# Altium PCB PCB1.PcbDoc (part 2 of 2)
Units mm, origin at the board's own origin, x right, y up, seen from the top; angles counter-clockwise.
Board outline 121.9 x 82.3 mm, 2 copper layers (Top Layer, Bottom Layer); 260 components, 214 nets, 701 pads, 49 vias.
Unrouted connection lines stored in the file: 53.
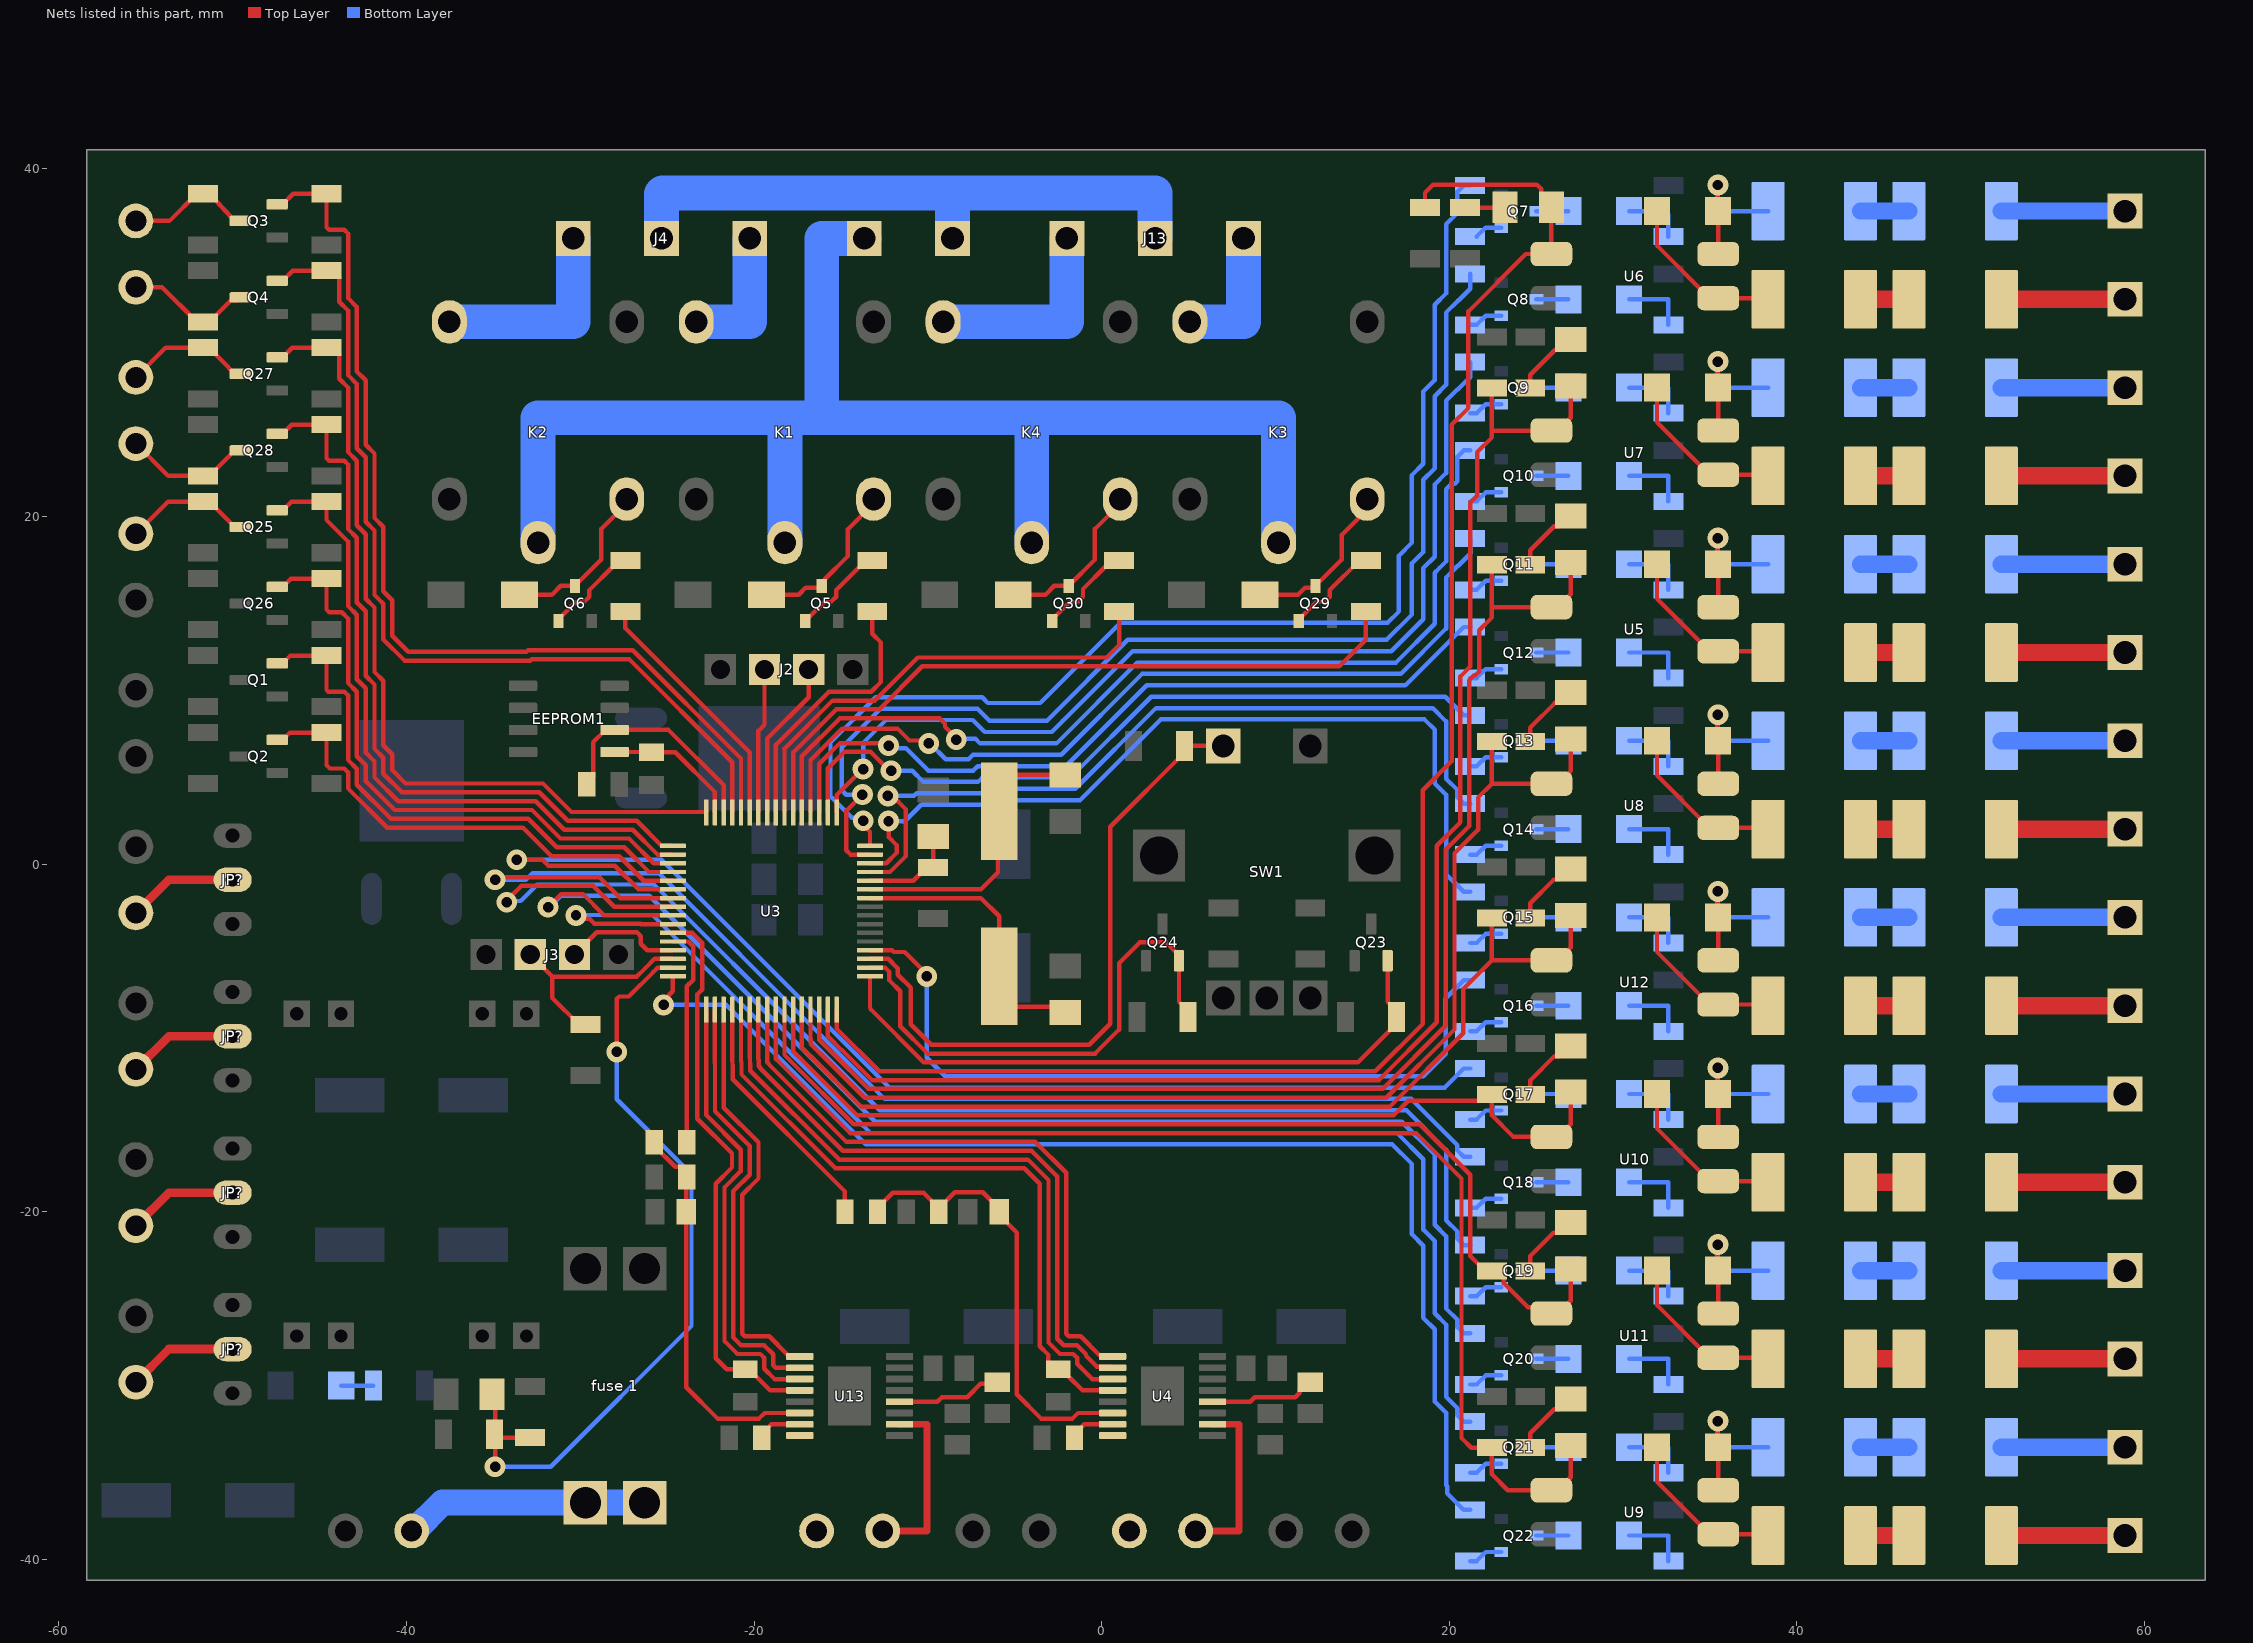
[diagram p2: the nets of this part, all layers, seen from the top]

## Via types
v1: diameter 1.2, hole 0.6, Top Layer to Bottom Layer, tented both sides, 46 vias
v2: diameter 1.2, hole 0.6, Top Layer to Bottom Layer, 3 vias

## Nets (pads, with @x,y where several pads share a name; then routed paths per layer and width w, separated by ;. In a path a pad name is that pad's centre, name@x,y a point inside that pad or via, vN(x,y) a via of type N, cw(c..) or ccw(c..) an arc to the next point about the centre after c; other vN are vias at no path point) (continued)
JACK-2-ENC-B: P10.1 Q25.3 R107.1 | length 7.4
  Top Layer w0.254: P10.1@-55.565,19.005 -53.714,20.856 R107.1@-51.7,20.856 -51.33,20.856 -49.875,19.399 Q25.3@-49.56,19.399
jack_extend1: P3.1 U4.8
jack_extend2: P9.1 U13.8
jack_retract1: P3.2 U4.10 | length 10.2
  Top Layer w0.39: P3.2@5.405,-38.365 7.9,-38.365 7.9,-32.225 U4.10@6.37,-32.225
jack_retract2: P9.2 U13.10 | length 10.3
  Top Layer w0.39: P9.2@-12.595,-38.365 -10.049,-38.365 -10.049,-32.225 U13.10@-11.63,-32.225
Motor1_NC: J4.03 K1.3 | length 7.9
  Bottom Layer w2: K1.3@-23.325,31.2 -20.245,31.2 J4.03@-20.245,36
Motor1_NO: J4.01 K2.3 | length 11.9
  Bottom Layer w2: K2.3@-37.525,31.2 -30.405,31.2 J4.01@-30.405,36
Motor2_NC: J13.01 K3.3 | length 7.9
  Bottom Layer w2: K3.3@5.075,31.2 8.155,31.2 J13.01@8.155,36
Motor2_NO: J13.03 K4.3 | length 11.9
  Bottom Layer w2: K4.3@-9.125,31.2 -2.005,31.2 J13.03@-2.005,36
MOTOR-1-ENC-A: P7.2 Q4.3 R17.1 | length 7.4
  Top Layer w0.254: P7.2@-55.565,33.195 -54.064,33.195 -52.07,31.201 R17.1@-51.7,31.201 -51.33,31.201 -50.101,32.431 -49.733,32.431 Q4.3@-49.56,32.604
MOTOR-1-ENC-B: P7.1 Q3.3 R16.1 | length 7.3
  Top Layer w0.254: P7.1@-55.565,37.005 -53.635,37.005 -52.07,38.57 R16.1@-51.7,38.57 -51.33,38.57 -50.048,37.191 -49.875,37.005 Q3.3@-49.56,37.005
MOTOR-2-ENC-A: P13.2 Q28.3 R116.1 | length 7.4
  Top Layer w0.254: P13.2@-55.565,24.195 -53.714,22.344 R116.1@-51.7,22.344 -51.33,22.344 -49.875,23.801 Q28.3@-49.56,23.801
MOTOR-2-ENC-B: P13.1 Q27.3 R115.1 | length 7.4
  Top Layer w0.254: P13.1@-55.565,28.005 -53.857,29.713 R115.1@-51.7,29.713 -51.33,29.713 -49.875,28.202 Q27.3@-49.56,28.202
NetC4_2: C4.2 R2.1 R3.2 U3.47 | length 45.6
  Top Layer w0.254: C4.2@-35.064,-30.5 -34.9,-30.5 R3.2@-34.9,-33 ; v1(-34.9,-34.671) R3.2@-34.9,-33 ; R2.1@-32.9,-33 R3.2@-34.9,-33 ; v1(-27.9,-10.8) -27.9,-7.749 -27.765,-7.614 -27.202,-7.614 -25.789,-6.201 -25.789,-6.199 -25.54,-5.95 U3.47@-24.67,-5.95
  Bottom Layer w0.254: v1(-34.9,-34.671) -31.699,-34.671 -23.597,-26.568 -23.597,-17.834 -27.9,-13.531 v1(-27.9,-10.8)
NetC11_2: C11.2 R5.1 U3.12 | length 5.7
  Top Layer w0.254: U3.12@-13.33,-0.95 -10.838,-0.95 -10.07,-0.182 R5.1@-9.7,-0.182 C11.2@-9.7,1.585
NetC12_2: C12.2 R12.1 R14.2 U4.6 | length 26.2
  Top Layer w0.254: R12.1@-12.9,-20 -12.9,-19.79 -12.019,-18.909 -10.246,-18.909 R14.2@-9.365,-19.79 ; R14.2@-9.365,-20 R14.2@-9.365,-19.79 ; U4.6@0.63,-31.575 -1.357,-31.575 -1.682,-31.9 -3.49,-31.9 -4.884,-30.506 -4.884,-21.196 -5.9,-20.18 -5.9,-19.82 -6.836,-18.884 -8.459,-18.884 R14.2@-9.365,-19.79
NetC17_1: C17.1 R69.2 | length 4
  Top Layer w0.254: R69.2@24.656,17.225 24.656,18.056 26.038,19.438 26.399,19.438 C17.1@26.992,20.031
NetC17_2: C17.2 R67.2 U3.62 U5.3 | length 74.8
  Top Layer w0.254: U3.62@-16.25,-8.37 -16.25,-10.12 -15.543,-10.827 -15.526,-10.827 -13.422,-12.931 -10.861,-12.931 16.165,-12.931 19.792,-9.304 19.792,0.841 21.147,2.196 21.147,10.591 21.432,10.876 21.509,10.876 21.717,11.084 21.717,13.462 22.45,14.195 22.45,14.75 22.45,14.785 ; R67.2@22.45,17.225 22.45,14.785 ; C17.2@26.992,17.359 26.992,15.523 26.254,14.785 U5.3@25.875,14.785 22.45,14.785
NetC18_1: C18.1 R70.2 | length 2.3
  Top Layer w0.254: R70.2@20.9,37.77 23.17,37.77 C18.1@23.2,37.8
NetC18_2: C18.2 R68.2 U3.64 U6.3 | length 97
  Top Layer w0.254: U3.64@-15.25,-8.37 -15.25,-9.45 -12.785,-11.915 15.744,-11.915 18.465,-9.194 18.465,4.248 20.131,5.915 20.131,25.28 21.1,26.249 21.1,31.8 24.405,35.105 U6.3@25.875,35.105 25.875,37.797 C18.2@25.872,37.8 25.279,38.393 25.279,38.851 25.039,39.091 19.066,39.091 18.6,38.625 R68.2@18.6,37.77
NetC19_1: C19.1 R81.2 | length 3.9
  Top Layer w0.254: R81.2@24.656,27.385 24.656,28.156 26.098,29.598 26.399,29.598 C19.1@26.992,30.191
NetC19_2: C19.2 R79.2 U3.63 U7.3 | length 83.1
  Top Layer w0.254: U3.63@-15.75,-8.37 -15.75,-9.901 -14.934,-10.717 -14.917,-10.717 -13.211,-12.423 -10.651,-12.423 15.954,-12.423 19.284,-9.093 19.284,1.052 20.639,2.407 20.639,10.801 21.209,11.371 21.209,20.813 21.608,21.212 21.608,23.708 22.45,24.55 22.45,24.945 ; R79.2@22.45,27.385 22.45,24.945 ; U7.3@25.875,24.945 22.45,24.945 ; U7.3@26.254,24.945 26.992,25.683 C19.2@26.992,27.519
NetC20_1: C20.1 R82.2 | length 4
  Top Layer w0.254: R82.2@24.656,7.065 24.656,7.856 26.078,9.278 26.399,9.278 C20.1@26.992,9.871
NetC20_2: C20.2 R80.2 U3.61 U8.3 | length 66.1
  Top Layer w0.254: U3.61@-16.75,-8.37 -16.75,-10.047 -16.75,-10.338 -16.18,-10.908 -16.163,-10.908 -13.632,-13.439 -11.072,-13.439 16.375,-13.439 20.3,-9.514 20.3,0.631 21.655,1.986 21.655,3.83 22.45,4.625 ; R80.2@22.45,7.065 22.45,4.625 ; C20.2@26.992,7.199 26.992,5.363 26.254,4.625 U8.3@25.875,4.625 22.45,4.625
NetC21_1: C21.1 R93.2 | length 4
  Top Layer w0.254: R93.2@24.656,-33.575 24.656,-32.744 26.038,-31.362 26.399,-31.362 C21.1@26.992,-30.769
NetC21_2: C21.2 R91.2 U3.57 U9.3 | length 70.6
  Top Layer w0.254: U3.57@-18.75,-8.37 -18.75,-11.195 -18.564,-11.38 -14.474,-15.471 -11.913,-15.471 18.087,-15.471 20.7,-18.084 20.7,-33.019 21.256,-33.575 R91.2@22.45,-33.575 22.45,-35.099 23.366,-36.015 U9.3@25.875,-36.015 26.254,-36.015 26.992,-35.277 C21.2@26.992,-33.441
NetC22_1: C22.1 R94.2 | length 4
  Top Layer w0.254: R94.2@24.656,-13.255 24.656,-12.444 26.058,-11.042 26.399,-11.042 C22.1@26.992,-10.449
NetC22_2: C22.2 R92.2 U3.59 U10.3 | length 53
  Top Layer w0.254: U3.59@-17.75,-8.37 -17.75,-10.775 -17.37,-11.155 -17.353,-11.155 -14.053,-14.455 -11.492,-14.455 16.796,-14.455 17.633,-13.618 22.087,-13.618 R92.2@22.45,-13.255 22.45,-14.45 23.695,-15.695 26.254,-15.695 26.992,-14.957 C22.2@26.992,-13.121
NetC23_1: C23.1 R105.2 | length 4
  Top Layer w0.254: R105.2@24.656,-23.415 24.656,-22.544 25.998,-21.202 26.399,-21.202 C23.1@26.992,-20.609
NetC23_2: C23.2 R103.2 U3.58 U11.3 | length 59.1
  Top Layer w0.254: U3.58@-18.25,-8.37 -18.25,-10.976 -17.962,-11.265 -14.263,-14.963 18.298,-14.963 21.208,-17.873 21.208,-22.543 22.08,-23.415 R103.2@22.45,-23.415 22.777,-23.415 23.14,-23.778 23.14,-24.105 24.52,-25.485 25.505,-25.485 U11.3@25.875,-25.855 26.254,-25.855 26.992,-25.117 C23.2@26.992,-23.281
NetC24_1: C24.1 R106.2 | length 4
  Top Layer w0.254: R106.2@24.656,-3.095 24.656,-2.244 26.018,-0.882 26.399,-0.882 C24.1@26.992,-0.289
NetC24_2: C24.2 R104.2 U3.60 U12.3 | length 57.4
  Top Layer w0.254: U3.60@-17.25,-8.37 -17.25,-10.556 -16.757,-11.05 -16.74,-11.05 -13.842,-13.947 -11.282,-13.947 16.585,-13.947 20.808,-9.724 20.808,-7.177 22.45,-5.535 ; R104.2@22.45,-3.095 22.45,-5.535 ; C24.2@26.992,-2.961 26.992,-4.797 26.254,-5.535 U12.3@25.875,-5.535 22.45,-5.535
NetC25_2: C25.2 R111.1 R113.2 U13.6 | length 22.5
  Top Layer w0.254: R111.1@-25.735,-16 -25.735,-16.21 -24.528,-17.417 -24.238,-17.417 -23.865,-17.79 R113.2@-23.865,-18 -23.9,-18 -23.9,-30.1 -22.1,-31.9 -19.716,-31.9 -19.391,-31.575 U13.6@-17.37,-31.575
NetD1_2: D1.2 R1.1 | length 1.9
  Bottom Layer w0.254: D1.2@-43.75,-30 R1.1@-41.9,-30
NetD2_A: D2.A K1.5 Q5.3 | length 9.6
  Top Layer w0.254: D2.A@-19.285,15.5 -17.431,15.5 -17.021,15.91 -16.2,15.91 -15.927,16.183 -15.927,16.398 -14.6,17.725 -14.6,19.275 -13.125,20.75 K1.5@-13.125,21
NetD3_A: D3.A K2.5 Q6.3 | length 9.6
  Top Layer w0.254: D3.A@-33.485,15.5 -31.631,15.5 -31.121,16.01 Q6.3@-30.3,16.01 -28.787,17.523 -28.787,19.288 -27.325,20.75 K2.5@-27.325,21
NetD4_1: D4.1 Q7.3 | length 1.8
  Bottom Layer w0.254: Q7.3@25.01,37.575 D4.1@26.85,37.575
NetD4_2: D4.2 R22.1 | length 3.6
  Bottom Layer w0.254: D4.2@30.35,37.575 32.409,37.575 32.6,37.384 R22.1@32.6,36.105
NetD5_1: D5.1 Q8.3 | length 1.8
  Bottom Layer w0.254: Q8.3@25.01,32.495 D5.1@26.85,32.495
NetD5_2: D5.2 R23.1 | length 3.7
  Bottom Layer w0.254: D5.2@30.35,32.495 32.6,32.495 R23.1@32.6,31.025
NetD6_1: D6.1 Q9.3 | length 1.8
  Bottom Layer w0.254: Q9.3@25.01,27.415 D6.1@26.85,27.415
NetD6_2: D6.2 R24.1 | length 3.7
  Bottom Layer w0.254: D6.2@30.35,27.415 32.6,27.415 R24.1@32.6,25.945
NetD7_1: D7.1 Q10.3 | length 1.8
  Bottom Layer w0.254: Q10.3@25.01,22.335 D7.1@26.85,22.335
NetD7_2: D7.2 R25.1 | length 3.7
  Bottom Layer w0.254: D7.2@30.35,22.335 32.6,22.335 R25.1@32.6,20.865
NetD8_1: D8.1 Q11.3 | length 1.8
  Bottom Layer w0.254: Q11.3@25.01,17.255 D8.1@26.85,17.255
NetD8_2: D8.2 R26.1 | length 3.7
  Bottom Layer w0.254: D8.2@30.35,17.255 32.6,17.255 R26.1@32.6,15.785
NetD9_1: D9.1 Q12.3 | length 1.8
  Bottom Layer w0.254: Q12.3@25.01,12.175 D9.1@26.85,12.175
NetD9_2: D9.2 R27.1 | length 3.7
  Bottom Layer w0.254: D9.2@30.35,12.175 32.6,12.175 R27.1@32.6,10.705
NetD10_1: D10.1 Q13.3 | length 1.8
  Bottom Layer w0.254: Q13.3@25.01,7.095 D10.1@26.85,7.095
NetD10_2: D10.2 R28.1 | length 3.7
  Bottom Layer w0.254: D10.2@30.35,7.095 32.6,7.095 R28.1@32.6,5.625
NetD11_1: D11.1 Q14.3 | length 1.8
  Bottom Layer w0.254: Q14.3@25.01,2.015 D11.1@26.85,2.015
NetD11_2: D11.2 R29.1 | length 3.7
  Bottom Layer w0.254: D11.2@30.35,2.015 32.6,2.015 R29.1@32.6,0.545
NetD12_1: D12.1 Q15.3 | length 1.8
  Bottom Layer w0.254: Q15.3@25.01,-3.065 D12.1@26.85,-3.065
NetD12_2: D12.2 R38.1 | length 3.7
  Bottom Layer w0.254: D12.2@30.35,-3.065 32.6,-3.065 R38.1@32.6,-4.535
NetD13_1: D13.1 Q16.3 | length 1.8
  Bottom Layer w0.254: Q16.3@25.01,-8.145 D13.1@26.85,-8.145
NetD13_2: D13.2 R39.1 | length 3.7
  Bottom Layer w0.254: D13.2@30.35,-8.145 32.6,-8.145 R39.1@32.6,-9.615
NetD14_1: D14.1 Q17.3 | length 1.8
  Bottom Layer w0.254: Q17.3@25.01,-13.225 D14.1@26.85,-13.225
NetD14_2: D14.2 R40.1 | length 3.7
  Bottom Layer w0.254: D14.2@30.35,-13.225 32.6,-13.225 R40.1@32.6,-14.695
NetD15_1: D15.1 Q18.3 | length 1.8
  Bottom Layer w0.254: Q18.3@25.01,-18.305 D15.1@26.85,-18.305
NetD15_2: D15.2 R41.1 | length 3.7
  Bottom Layer w0.254: D15.2@30.35,-18.305 32.6,-18.305 R41.1@32.6,-19.775
NetD16_1: D16.1 Q19.3 | length 1.8
  Bottom Layer w0.254: Q19.3@25.01,-23.385 D16.1@26.85,-23.385
NetD16_2: D16.2 R42.1 | length 3.7
  Bottom Layer w0.254: D16.2@30.35,-23.385 32.6,-23.385 R42.1@32.6,-24.855
NetD17_1: D17.1 Q20.3 | length 1.8
  Bottom Layer w0.254: Q20.3@25.01,-28.465 D17.1@26.85,-28.465
NetD17_2: D17.2 R43.1 | length 3.7
  Bottom Layer w0.254: D17.2@30.35,-28.465 32.6,-28.465 R43.1@32.6,-29.935
NetD18_1: D18.1 Q21.3 | length 1.8
  Bottom Layer w0.254: Q21.3@25.01,-33.545 D18.1@26.85,-33.545
NetD18_2: D18.2 R44.1 | length 3.7
  Bottom Layer w0.254: D18.2@30.35,-33.545 32.6,-33.545 R44.1@32.6,-35.015
NetD19_1: D19.1 Q22.3 | length 1.8
  Bottom Layer w0.254: Q22.3@25.01,-38.625 D19.1@26.85,-38.625
NetD19_2: D19.2 R45.1 | length 3.7
  Bottom Layer w0.254: D19.2@30.35,-38.625 32.6,-38.625 R45.1@32.6,-40.095
NetD20_1: D20.1 R60.2 U5.1 | length 9.7
  Top Layer w0.254: D20.1@31.95,17.255 31.95,15.27 34.975,12.245 U5.1@35.475,12.245 38.27,12.245 R60.2@38.34,12.175
NetD20_2: D20.2 R64.2 U5.2 | length 8.4
  Top Layer w0.254: v1(35.45,18.755) D20.2@35.45,17.255 35.475,17.23 U5.2@35.475,14.785
  Bottom Layer w0.254: v1(35.45,18.755) 35.45,17.255 R64.2@38.34,17.255
NetD21_1: D21.1 R62.2 U6.1 | length 9.7
  Top Layer w0.254: D21.1@31.95,37.575 31.95,35.59 34.975,32.565 U6.1@35.475,32.565 38.27,32.565 R62.2@38.34,32.495
NetD21_2: D21.2 R66.2 U6.2 | length 8.4
  Top Layer w0.254: v1(35.45,39.075) D21.2@35.45,37.575 35.475,37.55 U6.2@35.475,35.105
  Bottom Layer w0.254: v1(35.45,39.075) 35.45,37.575 R66.2@38.34,37.575
NetD22_1: D22.1 R72.2 U7.1 | length 9.7
  Top Layer w0.254: D22.1@31.95,27.415 31.95,25.43 34.975,22.405 U7.1@35.475,22.405 38.27,22.405 R72.2@38.34,22.335
NetD22_2: D22.2 R76.2 U7.2 | length 8.4
  Top Layer w0.254: v1(35.45,28.915) D22.2@35.45,27.415 35.475,27.39 U7.2@35.475,24.945
  Bottom Layer w0.254: v1(35.45,28.915) 35.45,27.415 R76.2@38.34,27.415
NetD23_1: D23.1 R74.2 U8.1 | length 9.7
  Top Layer w0.254: D23.1@31.95,7.095 31.95,5.11 34.975,2.085 U8.1@35.475,2.085 38.27,2.085 R74.2@38.34,2.015
NetD23_2: D23.2 R78.2 U8.2 | length 8.4
  Top Layer w0.254: v1(35.45,8.595) D23.2@35.45,7.095 35.475,7.07 U8.2@35.475,4.625
  Bottom Layer w0.254: v1(35.45,8.595) 35.45,7.095 R78.2@38.34,7.095
NetD24_1: D24.1 R84.2 U9.1 | length 9.7
  Top Layer w0.254: D24.1@31.95,-33.545 31.95,-35.53 34.975,-38.555 U9.1@35.475,-38.555 38.27,-38.555 R84.2@38.34,-38.625
NetD24_2: D24.2 R88.2 U9.2 | length 8.4
  Top Layer w0.254: v1(35.45,-32.045) D24.2@35.45,-33.545 35.475,-33.57 U9.2@35.475,-36.015
  Bottom Layer w0.254: v1(35.45,-32.045) 35.45,-33.545 R88.2@38.34,-33.545
NetD25_1: D25.1 R86.2 U10.1 | length 9.7
  Top Layer w0.254: D25.1@31.95,-13.225 31.95,-15.21 34.975,-18.235 U10.1@35.475,-18.235 38.27,-18.235 R86.2@38.34,-18.305
NetD25_2: D25.2 R90.2 U10.2 | length 8.4
  Top Layer w0.254: v1(35.45,-11.725) D25.2@35.45,-13.225 35.475,-13.25 U10.2@35.475,-15.695
  Bottom Layer w0.254: v1(35.45,-11.725) 35.45,-13.225 R90.2@38.34,-13.225
NetD26_1: D26.1 R96.2 U11.1 | length 9.7
  Top Layer w0.254: D26.1@31.95,-23.385 31.95,-25.37 34.975,-28.395 U11.1@35.475,-28.395 38.27,-28.395 R96.2@38.34,-28.465
NetD26_2: D26.2 R100.2 U11.2 | length 8.4
  Top Layer w0.254: v1(35.45,-21.885) D26.2@35.45,-23.385 35.475,-23.41 U11.2@35.475,-25.855
  Bottom Layer w0.254: v1(35.45,-21.885) 35.45,-23.385 R100.2@38.34,-23.385
NetD27_1: D27.1 R98.2 U12.1 | length 9.7
  Top Layer w0.254: D27.1@31.95,-3.065 31.95,-5.05 34.975,-8.075 U12.1@35.475,-8.075 38.27,-8.075 R98.2@38.34,-8.145
NetD27_2: D27.2 R102.2 U12.2 | length 8.4
  Top Layer w0.254: v1(35.45,-1.565) D27.2@35.45,-3.065 35.475,-3.09 U12.2@35.475,-5.535
  Bottom Layer w0.254: v1(35.45,-1.565) 35.45,-3.065 R102.2@38.34,-3.065
NetD28_A: D28.A K3.5 Q29.3 | length 9.6
  Top Layer w0.254: D28.A@9.115,15.5 11.3,15.5 11.71,15.91 12.2,15.91 13.813,17.523 13.813,18.941 15.275,20.403 K3.5@15.275,21
NetD29_A: D29.A K4.5 Q30.3 | length 9.6
  Top Layer w0.254: D29.A@-5.085,15.5 -3.231,15.5 -2.721,16.01 Q30.3@-1.9,16.01 -0.387,17.523 -0.387,19.288 1.075,20.75 K4.5@1.075,21
"Netfuse 1_1": "fuse 1.1" P1.2 | length 14.1
  Bottom Layer w1.5: P1.2@-39.7,-38.365 -39.565,-38.365 -37.935,-36.735 -29.7,-36.735 -26.3,-36.735
NetJ1_1: J1.1 K1.1 K2.1 K3.1 K4.1 | length 84.1
  Bottom Layer w2: K2.1@-32.425,18.5 -32.425,25.679 -18.225,25.679 ; K1.1@-18.225,18.5 -18.225,25.679 ; J1.1@-13.665,36 -16.104,36 -16.104,25.679 ; K4.1@-4.025,18.5 -4.025,25.679 ; K3.1@10.175,18.5 10.175,25.679 -4.025,25.679 ; -18.225,25.679 -16.104,25.679 ; -16.104,25.679 -4.025,25.679
NetJ1_2: J1.2 J4.02 J13.02 | length 36.2
  Bottom Layer w2: J4.02@-25.325,36 -25.325,38.549 -25.266,38.608 -8.585,38.608 ; J1.2@-8.585,36 -8.585,38.608 ; J13.02@3.075,36 3.075,38.608 -8.585,38.608
NetJ5_1: J5.1 R63.1 | length 7.1
  Bottom Layer w1: R63.1@51.76,17.255 J5.1@58.875,17.255
NetJ5_2: J5.2 R59.1 | length 7.1
  Top Layer w1: R59.1@51.76,12.175 J5.2@58.875,12.175
NetJ6_1: J6.1 R65.1 | length 7.1
  Bottom Layer w1: R65.1@51.76,37.575 J6.1@58.875,37.575
NetJ6_2: J6.2 R61.1 | length 7.1
  Top Layer w1: R61.1@51.76,32.495 J6.2@58.875,32.495
NetJ7_1: J7.1 R75.1 | length 7.1
  Bottom Layer w1: R75.1@51.76,27.415 J7.1@58.875,27.415
NetJ7_2: J7.2 R71.1 | length 7.1
  Top Layer w1: R71.1@51.76,22.335 J7.2@58.875,22.335
NetJ8_1: J8.1 R77.1 | length 7.1
  Bottom Layer w1: R77.1@51.76,7.095 J8.1@58.875,7.095
NetJ8_2: J8.2 R73.1 | length 7.1
  Top Layer w1: R73.1@51.76,2.015 J8.2@58.875,2.015
NetJ9_1: J9.1 R87.1 | length 7.1
  Bottom Layer w1: R87.1@51.76,-33.545 J9.1@58.875,-33.545
NetJ9_2: J9.2 R83.1 | length 7.1
  Top Layer w1: R83.1@51.76,-38.625 J9.2@58.875,-38.625
NetJ10_1: J10.1 R89.1 | length 7.1
  Bottom Layer w1: R89.1@51.76,-13.225 J10.1@58.875,-13.225
NetJ10_2: J10.2 R85.1 | length 7.1
  Top Layer w1: R85.1@51.76,-18.305 J10.2@58.875,-18.305
NetJ11_1: J11.1 R99.1 | length 7.1
  Bottom Layer w1: R99.1@51.76,-23.385 J11.1@58.875,-23.385
NetJ11_2: J11.2 R95.1 | length 7.1
  Top Layer w1: R95.1@51.76,-28.465 J11.2@58.875,-28.465
NetJ12_1: J12.1 R101.1 | length 7.1
  Bottom Layer w1: R101.1@51.76,-3.065 J12.1@58.875,-3.065
NetJ12_2: J12.2 R97.1 | length 7.1
  Top Layer w1: R97.1@51.76,-8.145 J12.2@58.875,-8.145
NetQ1_2: Q1.2 R10.1 U3.36 | length 32
  Top Layer w0.254: Q1.2@-47.44,11.546 -47.125,11.546 -46.673,11.999 R10.1@-44.6,11.999 -44.6,10.024 -44.505,9.93 -43.582,9.93 -43.359,9.706 -43.359,5.996 -42.851,5.488 -42.851,4.569 -40.89,2.608 -32.984,2.608 -31.344,0.968 -27.468,0.968 -26.05,-0.45 U3.36@-24.67,-0.45
NetQ2_2: Q2.2 R11.1 U3.37 | length 28.1
  Top Layer w0.254: Q2.2@-47.44,7.145 -47.125,7.145 -46.7,7.57 R11.1@-44.6,7.57 -44.6,5.7 -44.401,5.501 -43.582,5.501 -43.359,5.278 -43.359,4.359 -41.1,2.1 -33.299,2.1 -31.659,0.46 -27.76,0.46 -26.35,-0.95 U3.37@-24.67,-0.95
NetQ3_2: Q3.2 R18.1 U3.28 | length 56.8
  Top Layer w0.254: Q3.2@-47.44,37.955 -47.125,37.955 -46.51,38.57 R18.1@-44.6,38.57 -44.6,36.65 -44.451,36.501 -43.582,36.501 -43.359,36.278 -43.359,32.568 -42.851,32.06 -42.851,28.35 -42.343,27.842 -42.343,24.131 -41.835,23.623 -41.835,19.913 -41.327,19.405 -41.327,15.695 -40.819,15.187 -40.819,13.137 -39.901,12.219 -33.094,12.219 -33.005,12.308 -26.979,12.308 -20.75,6.079 U3.28@-20.75,2.97
NetQ4_2: Q4.2 R19.1 U3.29 | length 51.8
  Top Layer w0.254: Q4.2@-47.44,33.554 -47.125,33.554 -46.537,34.141 -45.108,34.141 -44.23,34.141 -43.867,33.778 -43.867,32.357 -43.359,31.849 -43.359,28.139 -42.851,27.631 -42.851,23.921 -42.343,23.413 -42.343,19.703 -41.835,19.195 -41.835,15.485 -41.608,15.258 -41.327,14.977 -41.327,12.927 -40.111,11.711 -32.883,11.711 -32.794,11.8 -27.189,11.8 -21.25,5.861 U3.29@-21.25,2.97
NetQ5_1: Q5.1 R20.1 | length 5.6
  Top Layer w0.254: Q5.1@-17.05,13.99 -17.05,14.09 -16.877,14.263 -16.777,14.263 -15.957,15.083 -15.582,15.083 -15.273,15.392 -15.273,15.767 -13.57,17.47 R20.1@-13.2,17.47
NetQ6_1: Q6.1 R21.1 | length 5.5
  Top Layer w0.254: Q6.1@-31.236,14.104 -30.257,15.083 -29.782,15.083 -29.473,15.392 -29.473,15.767 -28.133,17.107 -27.77,17.47 R21.1@-27.4,17.47
NetQ7_1: Q7.1 R30.1 | length 1.6
  Bottom Layer w0.254: R30.1@21.57,36.105 22.09,36.625 Q7.1@22.99,36.625
NetQ8_1: Q8.1 R31.1 | length 2
  Bottom Layer w0.254: R31.1@21.2,31.025 21.57,31.025 22.09,31.545 Q8.1@22.99,31.545
NetQ9_1: Q9.1 R32.1 | length 2
  Bottom Layer w0.254: R32.1@21.2,25.945 21.57,25.945 22.09,26.465 Q9.1@22.99,26.465
NetQ10_1: Q10.1 R33.1 | length 2
  Bottom Layer w0.254: R33.1@21.2,20.865 21.57,20.865 22.09,21.385 Q10.1@22.99,21.385
NetQ11_1: Q11.1 R34.1 | length 2
  Bottom Layer w0.254: R34.1@21.2,15.785 21.57,15.785 22.09,16.305 Q11.1@22.99,16.305
NetQ12_1: Q12.1 R35.1 | length 2
  Bottom Layer w0.254: R35.1@21.2,10.705 21.57,10.705 22.09,11.225 Q12.1@22.99,11.225
NetQ13_1: Q13.1 R36.1 | length 2
  Bottom Layer w0.254: R36.1@21.2,5.625 21.57,5.625 22.09,6.145 Q13.1@22.99,6.145
NetQ14_1: Q14.1 R37.1 | length 2
  Bottom Layer w0.254: R37.1@21.2,0.545 21.57,0.545 22.09,1.065 Q14.1@22.99,1.065
NetQ15_1: Q15.1 R46.1 | length 2
  Bottom Layer w0.254: R46.1@21.2,-4.535 21.57,-4.535 22.09,-4.015 Q15.1@22.99,-4.015
NetQ16_1: Q16.1 R47.1 | length 2
  Bottom Layer w0.254: R47.1@21.2,-9.615 21.57,-9.615 22.09,-9.095 Q16.1@22.99,-9.095
NetQ17_1: Q17.1 R48.1 | length 2
  Bottom Layer w0.254: R48.1@21.2,-14.695 21.57,-14.695 22.09,-14.175 Q17.1@22.99,-14.175
NetQ18_1: Q18.1 R49.1 | length 2
  Bottom Layer w0.254: R49.1@21.2,-19.775 21.57,-19.775 22.09,-19.255 Q18.1@22.99,-19.255
NetQ19_1: Q19.1 R50.1 | length 2
  Bottom Layer w0.254: R50.1@21.2,-24.855 21.57,-24.855 22.09,-24.335 Q19.1@22.99,-24.335
NetQ20_1: Q20.1 R51.1 | length 2
  Bottom Layer w0.254: R51.1@21.2,-29.935 21.57,-29.935 22.09,-29.415 Q20.1@22.99,-29.415
NetQ21_1: Q21.1 R52.1 | length 2
  Bottom Layer w0.254: R52.1@21.2,-35.015 21.57,-35.015 22.09,-34.495 Q21.1@22.99,-34.495
NetQ22_1: Q22.1 R53.1 | length 2
  Bottom Layer w0.254: R53.1@21.2,-40.095 21.57,-40.095 22.09,-39.575 Q22.1@22.99,-39.575
NetQ23_2: Q23.2 R57.2 U3.1 | length 38.2
  Top Layer w0.254: U3.1@-13.33,-6.45 -13.33,-8.27 -13.3,-8.3 -13.3,-8.337 -10.23,-11.407 14.733,-11.407 16.97,-9.17 16.97,-8.43 16.45,-7.91 Q23.2@16.45,-5.56
NetQ24_2: Q24.2 R58.1 U3.2 | length 30.3
  Top Layer w0.254: U3.2@-13.33,-5.95 -12.46,-5.95 -12.211,-6.199 -12.211,-6.689 -11.591,-7.309 -11.591,-9.327 -10.019,-10.899 -0.381,-10.899 1,-9.518 1,-5.7 2.2,-4.5 3.705,-4.5 4.45,-5.245 4.45,-7.91 4.97,-8.43 R58.1@4.97,-8.8
NetQ25_2: Q25.2 R109.1 U3.34 | length 39.1
  Top Layer w0.254: Q25.2@-47.44,20.349 -47.125,20.349 -46.619,20.856 R109.1@-44.6,20.856 -44.6,19.805 -43.359,18.564 -43.359,14.853 -42.851,14.345 -42.851,10.635 -42.343,10.127 -42.343,6.417 -41.835,5.909 -41.835,4.99 -40.469,3.624 -32.563,3.624 -30.923,1.984 -26.984,1.984 -25.55,0.55 U3.34@-24.67,0.55
NetQ26_2: Q26.2 R110.1 U3.35 | length 35.7
  Top Layer w0.254: Q26.2@-47.44,15.948 -47.125,15.948 -46.646,16.427 R110.1@-44.6,16.427 -44.6,14.649 -44.451,14.5 -43.724,14.5 -43.359,14.135 -43.359,10.425 -42.851,9.917 -42.851,6.207 -42.343,5.699 -42.343,4.78 -40.679,3.116 -32.773,3.116 -31.133,1.476 -27.196,1.476 -27.17,1.451 -25.77,0.05 U3.35@-24.67,0.05
NetQ27_2: Q27.2 R117.1 U3.32 | length 48.2
  Top Layer w0.254: Q27.2@-47.44,29.152 -47.125,29.152 -46.564,29.713 R117.1@-44.6,29.713 -44.23,29.713 -43.867,29.35 -43.867,27.929 -43.359,27.421 -43.359,23.711 -42.851,23.203 -42.851,19.492 -42.343,18.984 -42.343,15.274 -41.835,14.766 -41.835,11.056 -41.327,10.548 -41.327,6.838 -40.819,6.33 -40.819,5.411 -40.048,4.64 -32.142,4.64 -30.502,3 -22.762,3 -22.75,2.988 U3.32@-22.75,2.97
NetQ28_2: Q28.2 R118.1 U3.33 | length 43.4
  Top Layer w0.254: Q28.2@-47.44,24.751 -47.125,24.751 -46.591,25.284 R118.1@-44.6,25.284 -44.6,23.364 -44.451,23.215 -43.582,23.215 -43.359,22.992 -43.359,19.282 -42.851,18.774 -42.851,15.064 -42.343,14.556 -42.343,10.846 -41.835,10.338 -41.835,6.627 -41.327,6.119 -41.327,5.201 -40.258,4.132 -32.353,4.132 -30.713,2.492 -26.792,2.492 -26.747,2.492 -25.305,1.05 U3.33@-24.67,1.05
NetQ29_1: Q29.1 R119.1 | length 5.5
  Top Layer w0.254: Q29.1@11.364,14.104 12.343,15.083 12.818,15.083 13.127,15.392 13.127,15.767 14.83,17.47 R119.1@15.2,17.47
NetQ30_1: Q30.1 R120.1 | length 5.6
  Top Layer w0.254: Q30.1@-2.85,13.99 -2.85,14.09 -2.677,14.263 -2.659,14.263 -1.839,15.083 -1.382,15.083 -1.073,15.392 -1.073,15.827 0.207,17.107 0.637,17.107 R120.1@1,17.47
NetR12_2: R12.2 U3.52 | length 14.3
  Top Layer w0.254: U3.52@-21.25,-8.37 -21.25,-11.348 -21.24,-11.358 -21.24,-11.547 -21.23,-11.557 -21.23,-12.37 -14.77,-18.83 R12.2@-14.77,-20
NetR13_1: R13.1 U4.7 | length 2.6
  Top Layer w0.254: R13.1@-1.565,-33 -1.565,-32.79 -1,-32.225 U4.7@0.63,-32.225
NetR15_1: R15.1 U3.53 U4.4 | length 38.4
  Top Layer w0.254: U3.53@-20.75,-8.37 -20.75,-11.335 -20.722,-11.363 -20.722,-11.556 -20.722,-12.096 -15.315,-17.503 -4.452,-17.503 -3.569,-18.386 -3.569,-27.731 -3.083,-28.217 -3.083,-28.692 -2.71,-29.065 -2.29,-29.065 -1.917,-29.438 -1.917,-29.461 -1.103,-30.275 U4.4@0.63,-30.275
NetR20_2: R20.2 U3.24 | length 15.7
  Top Layer w0.254: U3.24@-18.75,2.97 -18.75,6.861 -15.692,9.919 -13.262,9.919 -12.7,10.481 -12.7,12.751 -13.2,13.251 R20.2@-13.2,14.53
NetR21_2: R21.2 U3.27 | length 14.5
  Top Layer w0.254: R21.2@-27.4,14.53 -27.4,13.576 -20.25,6.426 U3.27@-20.25,2.97
NetR30_2: R30.2 U3.16 | length 69.7
  Top Layer w0.254: v1(-13.719,2.5) -13.719,2.244 -13.33,1.855 U3.16@-13.33,1.062
  Bottom Layer w0.254: v1(-13.719,2.5) -13.9,2.681 -14.381,2.681 -15.6,3.9 -15.6,7 -13,9.6 -6.875,9.6 -6.547,9.272 -3.528,9.272 1.1,13.9 16.461,13.9 17.1,14.539 17.1,17.75 17.851,18.501 17.851,22.386 18.505,23.04 18.505,27.195 19.159,27.849 19.159,32.179 19.813,32.833 19.813,36.813 20.467,37.467 20.467,38.682 20.83,39.045 R30.2@21.2,39.045
NetR31_2: R31.2 U3.15 | length 66.4
  Top Layer w0.254: v1(-13.763,4) -14.7,3.063 -14.7,0.8 -14.45,0.55 U3.15@-13.33,0.55
  Bottom Layer w0.254: v1(-13.763,4) -14.7,4 -14.946,4.246 -14.946,6.729 -12.729,8.946 -7.146,8.946 -6.455,8.255 -3.145,8.255 1.505,12.905 16.39,12.905 17.851,14.366 17.851,17.306 18.505,17.96 18.505,22.115 19.159,22.769 19.159,26.924 19.813,27.578 19.813,31.733 20.496,32.417 20.517,32.417 21.2,33.1 R31.2@21.2,33.965
NetR32_2: R32.2 U3.17 | length 56.3
  Top Layer w0.254: U3.17@-15.25,2.97 -15.25,3.968 -13.748,5.47 v1(-13.729,5.47)
  Bottom Layer w0.254: v1(-13.729,5.47) -13.729,6.971 -12.408,8.292 -7.417,8.292 -6.726,7.601 -2.874,7.601 -2.229,8.246 1.776,12.251 16.661,12.251 18.505,14.095 18.505,17.035 19.159,17.689 19.159,21.844 19.813,22.498 19.813,26.653 20.493,27.334 20.52,27.334 21.2,28.014 R32.2@21.2,28.885
NetR33_2: R33.2 U3.21 | length 55.4
  Top Layer w0.254: U3.21@-17.25,2.97 -17.25,6.206 -15.061,8.395 -9.328,8.395 -9.016,8.083 -9.016,7.903 -8.366,7.254 v1(-8.366,7.165)
  Bottom Layer w0.254: v1(-8.366,7.165) -8.323,7.209 -7.258,7.209 -6.997,6.947 -2.603,6.947 2.047,11.597 16.932,11.597 19.159,13.824 19.159,16.764 19.408,17.013 19.813,17.418 19.813,21.573 20.122,21.882 20.318,21.882 20.467,22.031 20.467,23.442 20.83,23.805 R33.2@21.2,23.805
NetR34_2: R34.2 U3.20 | length 49.9
  Top Layer w0.254: U3.20@-16.75,2.97 -16.75,5.988 -16.73,6.008 -14.938,7.8 -11.747,7.8 -11.061,7.114 -10.12,7.114 v1(-9.953,6.947)
  Bottom Layer w0.254: v1(-9.953,6.947) -9.874,6.947 -8.965,6.038 -7.657,6.038 -7.402,6.293 -2.332,6.293 2.318,10.943 17.203,10.943 19.813,13.553 19.813,16.493 20.493,17.174 20.52,17.174 21.2,17.854 R34.2@21.2,18.725
NetR35_2: R35.2 U3.19 | length 44.8
  Top Layer w0.254: U3.19@-16.25,2.97 -16.25,5.769 -15.054,6.966 -12.405,6.966 v1(-12.259,6.819)
  Bottom Layer w0.254: v1(-12.259,6.819) -12.117,6.678 -11.278,6.678 -9.984,5.384 -7.386,5.384 -7.131,5.639 -2.061,5.639 2.589,10.289 17.474,10.289 20.467,13.282 20.83,13.645 R35.2@21.2,13.645
NetR36_2: R36.2 U3.18 | length 42.9
  Top Layer w0.254: U3.18@-15.75,2.97 -15.75,5.515 -15.714,5.551 -14.807,6.458 -13.294,6.458 -12.208,5.372 v1(-12.114,5.372)
  Bottom Layer w0.254: v1(-12.114,5.372) -10.897,5.372 -10.255,4.73 -7.115,4.73 -6.86,4.985 -1.791,4.985 2.859,9.635 19.76,9.635 20.83,8.565 R36.2@21.015,8.565
NetR37_2: R37.2 U3.13 | length 46.5
  Top Layer w0.254: U3.13@-13.33,-0.45 -12.178,-0.45 -11.284,0.444 -11.284,3.171 -12.042,3.93 v1(-12.296,3.93)
  Bottom Layer w0.254: v1(-12.296,3.93) -10.795,3.93 -10.649,4.076 -6.844,4.076 -6.589,4.331 -1.52,4.331 3.13,8.981 19.044,8.981 19.813,8.212 19.813,4.917 20.467,4.263 20.467,3.848 20.83,3.485 R37.2@21.2,3.485
NetR46_2: R46.2 U3.14 | length 48.3
  Top Layer w0.254: U3.14@-13.33,0.05 -12.396,0.05 -12.358,0.088 -11.8,0.646 -11.8,1.1 -12.243,1.543 -12.243,2.451 v1(-12.265,2.474)
  Bottom Layer w0.254: v1(-12.265,2.474) -11.326,2.474 -10.378,3.422 -6.573,3.422 -6.318,3.677 -1.249,3.677 3.401,8.327 18.573,8.327 19.159,7.741 19.159,4.646 19.813,3.992 19.813,-0.578 20.83,-1.595 R46.2@21.2,-1.595
NetR47_2: R47.2 U3.4 | length 44.5
  Top Layer w0.254: U3.4@-13.33,-4.95 -12.063,-4.95 -11.956,-5.056 -11.335,-5.056 -10.066,-6.325 v1(-10.066,-6.458)
  Bottom Layer w0.254: v1(-10.066,-6.458) -10.066,-11.139 -9.005,-12.2 18.511,-12.2 19.8,-10.911 19.8,-7.709 20.83,-6.675 R47.2@21.2,-6.675
NetR48_2: R48.2 U3.38 | length 70.4
  Top Layer w0.254: v1(-33.649,0.25) -33.637,0.238 -32.155,0.238 -31.829,-0.088 -28.012,-0.088 -26.65,-1.45 U3.38@-24.67,-1.45
  Bottom Layer w0.254: v1(-33.649,0.25) -25.326,0.25 -12.222,-12.854 19.731,-12.854 20.83,-11.755 R48.2@21.2,-11.755
NetR49_2: R49.2 U3.39 | length 74
  Top Layer w0.254: v1(-34.896,-0.9) -34.751,-0.755 -28.895,-0.755 -27.7,-1.95 U3.39@-24.67,-1.95
  Bottom Layer w0.254: v1(-34.896,-0.9) -33.125,-0.9 -32.74,-0.515 -25.485,-0.515 -16.089,-9.912 -12.492,-13.508 17.806,-13.508 20.467,-16.169 20.467,-16.472 20.83,-16.835 R49.2@21.2,-16.835
NetR50_2: R50.2 U3.40 | length 77.6
  Top Layer w0.254: v1(-34.227,-2.191) -34.227,-2.083 -33.383,-1.239 -29.261,-1.239 -28.05,-2.45 U3.40@-24.67,-2.45
  Bottom Layer w0.254: v1(-34.227,-2.191) -34.155,-2.119 -33.419,-2.119 -32.469,-1.169 -25.756,-1.169 -16.743,-10.183 -12.763,-14.162 17.536,-14.162 19.813,-16.439 19.813,-20.483 20.467,-21.137 20.467,-21.552 20.83,-21.915 R50.2@21.2,-21.915
NetR51_2: R51.2 U3.41 | length 76.7
  Top Layer w0.254: v1(-31.845,-2.469) -31.099,-1.723 -29.841,-1.723 -28.63,-2.934 -26.336,-2.934 -26.32,-2.95 U3.41@-24.67,-2.95
  Bottom Layer w0.254: v1@-31.775,-2.448 -31.729,-2.448 -31.104,-1.823 -26.027,-1.823 -17.397,-10.453 -13.034,-14.816 17.265,-14.816 19.159,-16.71 19.159,-20.754 19.813,-21.408 19.813,-25.563 20.467,-26.217 20.467,-26.632 20.83,-26.995 R51.2@21.2,-26.995
NetR52_2: R52.2 U3.42 | length 76.8
  Top Layer w0.254: v1(-30.243,-2.95) -30.057,-3.136 -29.47,-3.136 -29.183,-3.423 -26.531,-3.423 -26.504,-3.45 U3.42@-24.67,-3.45
  Bottom Layer w0.254: v1(-30.243,-2.95) -30.22,-2.927 -25.848,-2.927 -14.012,-14.763 -13.305,-15.47 16.994,-15.47 18.505,-16.981 18.505,-21.025 18.931,-21.451 19.159,-21.679 19.159,-25.834 19.813,-26.488 19.813,-30.643 20.467,-31.297 20.467,-31.712 20.83,-32.075 R52.2@21.2,-32.075
NetR53_2: R53.2 U3.48 | length 70.2
  Top Layer w0.254: v1(-25.2,-8.1) -25.2,-7.844 -24.67,-7.314 U3.48@-24.67,-6.45
  Bottom Layer w0.254: v1(-25.2,-8.1) -21.6,-8.1 -13.576,-16.124 16.723,-16.124 17.851,-17.252 17.851,-21.296 18.505,-21.95 18.505,-26.105 19.159,-26.759 19.159,-30.914 19.813,-31.568 19.813,-35.723 19.877,-35.787 19.877,-36.202 20.83,-37.155 R53.2@21.2,-37.155
NetR54_1: R54.1 SW1.4 U3.3 | length 37.8
  Top Layer w0.254: U3.3@-13.33,-5.45 -12.276,-5.45 -11.727,-5.999 -11.727,-6.365 -10.992,-7.1 -10.992,-9.208 -9.809,-10.391 -0.72,-10.391 0.492,-9.179 0.492,2.152 4.77,6.43 R54.1@4.77,6.8 SW1.4@7,6.8
NetR59_2: R59.2 R60.1 | length 2.8
  Top Layer w1: R60.1@43.66,12.175 R59.2@46.44,12.175
NetR61_2: R61.2 R62.1 | length 2.8
  Top Layer w1: R62.1@43.66,32.495 R61.2@46.44,32.495
NetR63_2: R63.2 R64.1 | length 2.8
  Bottom Layer w1: R64.1@43.66,17.255 R63.2@46.44,17.255
NetR65_2: R65.2 R66.1 | length 2.8
  Bottom Layer w1: R66.1@43.66,37.575 R65.2@46.44,37.575
NetR71_2: R71.2 R72.1 | length 2.8
  Top Layer w1: R72.1@43.66,22.335 R71.2@46.44,22.335
NetR73_2: R73.2 R74.1 | length 2.8
  Top Layer w1: R74.1@43.66,2.015 R73.2@46.44,2.015
NetR75_2: R75.2 R76.1 | length 2.8
  Bottom Layer w1: R76.1@43.66,27.415 R75.2@46.44,27.415
NetR77_2: R77.2 R78.1 | length 2.8
  Bottom Layer w1: R78.1@43.66,7.095 R77.2@46.44,7.095
NetR83_2: R83.2 R84.1 | length 2.8
  Top Layer w1: R84.1@43.66,-38.625 R83.2@46.44,-38.625
NetR85_2: R85.2 R86.1 | length 2.8
  Top Layer w1: R86.1@43.66,-18.305 R85.2@46.44,-18.305
NetR87_2: R87.2 R88.1 | length 2.8
  Bottom Layer w1: R88.1@43.66,-33.545 R87.2@46.44,-33.545
NetR89_2: R89.2 R90.1 | length 2.8
  Bottom Layer w1: R90.1@43.66,-13.225 R89.2@46.44,-13.225
NetR95_2: R95.2 R96.1 | length 2.8
  Top Layer w1: R96.1@43.66,-28.465 R95.2@46.44,-28.465
NetR97_2: R97.2 R98.1 | length 2.8
  Top Layer w1: R98.1@43.66,-8.145 R97.2@46.44,-8.145
NetR99_2: R99.2 R100.1 | length 2.8
  Bottom Layer w1: R100.1@43.66,-23.385 R99.2@46.44,-23.385
NetR101_2: R101.2 R102.1 | length 2.8
  Bottom Layer w1: R102.1@43.66,-3.065 R101.2@46.44,-3.065
NetR111_2: R111.2 U3.44 | length 12.7
  Top Layer w0.254: U3.44@-24.67,-4.45 -23.85,-4.45 -23.783,-4.45 -23.5,-4.733 -23.5,-6.667 -23.865,-7.032 R111.2@-23.865,-16
NetR112_1: R112.1 U13.7 | length 2.6
  Top Layer w0.254: R112.1@-19.565,-33 -19.565,-32.79 -19,-32.225 U13.7@-17.37,-32.225
NetR114_1: R114.1 U3.43 U13.4 | length 32.7
  Top Layer w0.254: U3.43@-24.67,-3.95 -23.628,-3.95 -23.565,-3.95 -22.992,-4.523 -22.992,-7.225 -23.262,-7.495 -23.262,-14.644 -21.269,-16.637 -21.269,-17.45 -22.21,-18.39 -22.21,-28.424 -21.569,-29.065 -20.29,-29.065 -19.08,-30.275 U13.4@-17.37,-30.275
NetR119_2: R119.2 U3.22 | length 40.7
  Top Layer w0.254: U3.22@-17.75,2.97 -17.75,6.424 -17.746,6.428 -15.271,8.903 -12.797,8.903 -10.32,11.38 13.68,11.38 15.2,12.9 R119.2@15.2,14.53
NetR120_2: R120.2 U3.23 | length 27.3
  Top Layer w0.254: U3.23@-18.25,2.97 -18.25,6.635 -18.254,6.639 -15.482,9.411 -13.052,9.411 -10.575,11.888 0.28,11.888 1,12.608 R120.2@1,14.53
NetU3_49: U3.49 U13.3 | length 25.9
  Top Layer w0.254: U3.49@-22.75,-8.37 -22.75,-11.555 -22.754,-11.559 -22.754,-14.434 -20.761,-16.427 -20.761,-17.66 -21.702,-18.601 -21.702,-27.44 -20.958,-28.184 -19.632,-28.184 -19.409,-28.407 -19.409,-29.037 -18.821,-29.625 U13.3@-17.37,-29.625
NetU3_50: U3.50 U13.2 | length 25
  Top Layer w0.254: U3.50@-22.25,-8.37 -22.25,-11.421 -22.246,-11.425 -22.246,-11.558 -22.246,-14.224 -20.253,-16.216 -20.253,-17.871 -21.194,-18.811 -21.194,-27.23 -20.748,-27.676 -19.422,-27.676 -18.901,-28.197 -18.901,-28.826 -18.752,-28.975 U13.2@-17.37,-28.975
NetU3_51: U3.51 U13.1 | length 23.7
  Top Layer w0.254: U3.51@-21.75,-8.37 -21.75,-11.349 -21.738,-11.361 -21.738,-11.558 -21.738,-14.013 -19.745,-16.006 -19.745,-18.081 -20.686,-19.022 -20.686,-27.019 -20.537,-27.168 -19.132,-27.168 -18.043,-28.257 -17.438,-28.257 U13.1@-17.37,-28.325
NetU3_54: U3.54 U4.3 | length 37.4
  Top Layer w0.254: U3.54@-20.25,-8.37 -20.25,-11.147 -20.234,-11.163 -20.234,-11.435 -20.214,-11.455 -20.214,-11.886 -15.105,-16.995 -4.242,-16.995 -3.061,-18.176 -3.061,-27.521 -2.398,-28.184 -1.632,-28.184 -1.409,-28.407 -1.409,-28.752 -0.536,-29.625 U4.3@0.63,-29.625
NetU3_55: U3.55 U4.2 | length 36.4
  Top Layer w0.254: U3.55@-19.75,-8.37 -19.75,-11.218 -19.718,-11.25 -19.718,-11.618 -19.642,-11.694 -19.642,-11.74 -14.895,-16.487 -4.031,-16.487 -2.553,-17.965 -2.553,-27.31 -2.187,-27.676 -1.422,-27.676 -0.901,-28.197 -0.901,-28.284 -0.278,-28.907 0.562,-28.907 U4.2@0.63,-28.975
NetU3_56: U3.56 U4.1 | length 35.4
  Top Layer w0.254: U3.56@-19.25,-8.37 -19.25,-11.033 -19.234,-11.049 -19.234,-11.395 -19.139,-11.49 -19.139,-11.524 -14.684,-15.979 -3.821,-15.979 -2.045,-17.755 -2.045,-27.019 -1.896,-27.168 -1.211,-27.168 -0.122,-28.257 0.562,-28.257 U4.1@0.63,-28.325
OSC_IN: C7.2 U3.10 Y1.1 | length 16.5
  Top Layer w0.254: U3.10@-13.33,-1.95 -6.95,-1.95 -5.9,-3 -5.9,-7.277 -4.977,-8.2 -2.436,-8.2 C7.2@-2.1,-8.536
OSC_OUT: C6.2 U3.11 Y1.2 | length 16.7
  Top Layer w0.254: U3.11@-13.33,-1.45 -6.958,-1.45 -6.95,-1.442 -6.942,-1.442 -5.967,-0.467 -5.967,2.983 Y1.2@-5.9,3.05 -5.9,4.213 -4.977,5.136 C6.2@-2.1,5.136
power_ENC_1: JP?.2@-50,-9.9 P6.2 | length 6.4
  Top Layer w0.5: P6.2@-55.565,-11.805 -53.66,-9.9 JP?.2@-50,-9.9
power_ENC_2: JP?.2@-50,-0.9 P12.2 | length 6.4
  Top Layer w0.5: P12.2@-55.565,-2.805 -53.66,-0.9 JP?.2@-50,-0.9
power_ENC_3: JP?.2@-50,-27.9 P5.2 | length 6.4
  Top Layer w0.5: P5.2@-55.565,-29.805 -53.66,-27.9 JP?.2@-50,-27.9
power_ENC_4: JP?.2@-50,-18.9 P11.2 | length 6.4
  Top Layer w0.5: P11.2@-55.565,-20.805 -53.66,-18.9 JP?.2@-50,-18.9
RX: J2.02 U3.26 | length 8.4
  Top Layer w0.254: U3.26@-19.75,2.97 -19.75,7.667 -19.4,8.017 J2.02@-19.4,11.2
SCL: EEPROM1.5 R6.1 U3.30 | length 13.3
  Top Layer w0.254: R6.1@-29.635,4.6 -29.262,4.973 -29.262,7.007 -28.548,7.722 EEPROM1.5@-28.023,7.722 -24.922,7.722 -21.75,4.55 U3.30@-21.75,2.97
SDA: EEPROM1.4 R7.1 U3.31 | length 7.9
  Top Layer w0.254: EEPROM1.4@-28.023,6.452 -25.9,6.441 -24.535,6.435 -22.25,4.15 U3.31@-22.25,2.97
SWDCLK: J3.03 R4.1 U3.46 | length 12.9
  Top Layer w0.254: J3.03@-32.874,-5.2 -31.605,-6.469 ; R4.1@-29.7,-9.23 -30.07,-9.23 -31.605,-7.695 -31.605,-6.469 ; U3.46@-24.67,-5.45 -25.724,-5.45 -26.273,-5.999 -26.273,-6.001 -26.741,-6.469 -31.605,-6.469
SWDIO: J3.02 U3.45 | length 6.9
  Top Layer w0.254: J3.02@-30.327,-5.193 -29.053,-3.919 -26.736,-3.919 -26.513,-4.142 -26.513,-4.587 -26.15,-4.95 U3.45@-24.67,-4.95
TX: J2.03 U3.25 | length 9.2
  Top Layer w0.254: U3.25@-19.25,2.97 -19.25,7.217 -16.86,9.607 J2.03@-16.86,11.2
VCP1: C15.1 U4.12 | length 6.2
  Top Layer w0.254: U4.12@6.37,-30.925 8.546,-30.925 8.807,-30.664 11.136,-30.664 11.392,-30.408 11.392,-30.228 11.82,-29.8 C15.1@12,-29.8
VCP2: C28.1 U13.12 | length 6.1
  Top Layer w0.254: U13.12@-11.63,-30.925 -9.454,-30.925 -9.193,-30.664 -7.735,-30.664 -6.971,-29.9 -6.1,-29.9 C28.1@-6,-29.8
pads on no net: K1.2 K2.2 K3.2 K4.2 U3.5

## Polygon pours and split planes (outlines as drawn)
GND on Bottom Layer "NONET_L-01_P-001" (solid, remove dead copper, pour order 15): -58.9,41 -58.9,-41.4 25.01,-41.4 25.01,41
GND on Bottom Layer "NONET_L-01_P-001" (solid, remove dead copper, pour order 1): -6.5,-20.6 -6.5,-40.6 13.5,-40.6 13.5,-20.6
GND on Bottom Layer "NONET_L-01_P-001" (solid, remove dead copper, pour order 4): -25.654,3.937 -12.319,3.937 -12.319,-9.398 -25.654,-9.398
GND on Bottom Layer "NONET_L-01_P-001" (solid, remove dead copper, pour order 0): -24.5,-20.6 -24.5,-40.6 -4.5,-40.6 -4.5,-20.6
GND on Top Layer "NONET_L-01_P-001" (solid, remove dead copper, pour order 16): -58.9,36.5 -58.9,-41.4 30.1,-41.4 30.1,36.5
GND on Top Layer "NONET_L-01_P-001" (solid, remove dead copper, pour order 5): -25.654,3.937 -12.319,3.937 -12.319,-9.398 -25.654,-9.398
GND on Top Layer "NONET_L-01_P-001" (solid, remove dead copper, pour order 14): -6.5,-20.6 -6.5,-40.6 13.5,-40.6 13.5,-20.6
GND on Top Layer "NONET_L-01_P-001" (solid, remove dead copper, pour order 13): -24.5,-20.6 -24.5,-40.6 -4.5,-40.6 -4.5,-20.6
jack_extend2 on Top Layer "NONET_L-01_P-001" (solid, remove dead copper, pour order 12): -18.4,-32.875 -18.4,-39.5 -15.4,-39.5 -15.4,-32.875
jack_retract2 on Top Layer "NONET_L-01_P-001" (solid, remove dead copper, pour order 11): -13.6,-39.4 -13.6,-36.8 -11.63,-36.8 -11.63,-32.6 -12.5,-32.6 -12.5,-31.9 -9.5,-31.9 -9.5,-39.4
jack_retract1 on Top Layer "NONET_L-01_P-001" (solid, remove dead copper, pour order 9): 4.4,-39.4 4.4,-36.8 6.37,-36.8 6.37,-32.6 5.5,-32.6 5.5,-31.9 8.5,-31.9 8.5,-39.4
jack_extend1 on Top Layer "NONET_L-01_P-001" (solid, remove dead copper, pour order 8): -0.4,-32.875 -0.4,-39.5 2.6,-39.5 2.6,-32.875

## Other copper
Top Layer:
  pour cut-out: 18.9,42.1 -40.1,42.1 -40.1,16.3 18.9,16.3
Bottom Layer:
  pour cut-out: 17.7,42.1 -40.1,42.1 -40.1,16.3 17.7,16.3

## Silkscreen, mask and mechanical layers (free items; w line width, h text height)
Mechanical 1:
  the board outline again, w0.1

## Text inside footprints (layer, text, board x,y; h text height)
*1: Top Overlay "mp1584 module" at -39.7,-12.873 h1.52 r270
D1: Bottom Overlay "+" at -42.7,-29.55 h0.89 r180
D4: Bottom Overlay "+" at 31.4,38.025 h0.89 r180
D5: Bottom Overlay "+" at 31.4,32.945 h0.89 r180
D6: Bottom Overlay "+" at 31.4,27.865 h0.89 r180
D7: Bottom Overlay "+" at 31.4,22.785 h0.89 r180
D8: Bottom Overlay "+" at 31.4,17.705 h0.89 r180
D9: Bottom Overlay "+" at 31.4,12.625 h0.89 r180
D10: Bottom Overlay "+" at 31.4,7.545 h0.89 r180
D11: Bottom Overlay "+" at 31.4,2.465 h0.89 r180
D12: Bottom Overlay "+" at 31.4,-2.615 h0.89 r180
D13: Bottom Overlay "+" at 31.4,-7.695 h0.89 r180
D14: Bottom Overlay "+" at 31.4,-12.775 h0.89 r180
D15: Bottom Overlay "+" at 31.4,-17.855 h0.89 r180
D16: Bottom Overlay "+" at 31.4,-22.935 h0.89 r180
D17: Bottom Overlay "+" at 31.4,-28.015 h0.89 r180
D18: Bottom Overlay "+" at 25.8,-33.995 h0.89
D19: Bottom Overlay "+" at 31.4,-38.175 h0.89 r180
D20: Top Overlay "+" at 36.5,16.805 h0.89
D21: Top Overlay "+" at 36.5,37.125 h0.89
D22: Top Overlay "+" at 36.5,26.965 h0.89
D23: Top Overlay "+" at 36.5,6.645 h0.89
D24: Top Overlay "+" at 36.5,-33.995 h0.89
D25: Top Overlay "+" at 36.5,-13.675 h0.89
D26: Top Overlay "+" at 36.5,-23.835 h0.89
D27: Top Overlay "+" at 36.5,-3.515 h0.89
SW1: Bottom Overlay "A" at 14,-7.7 h1; Bottom Overlay "B" at 5.7,-7.7 h1; Bottom Overlay "C" at 9.9,-5.7 h1; Bottom Overlay "D" at 13.9,7.3 h1; Bottom Overlay "E" at 5.7,7.4 h1